# Allegro board reComputer J202_V1.0.brd (continued)
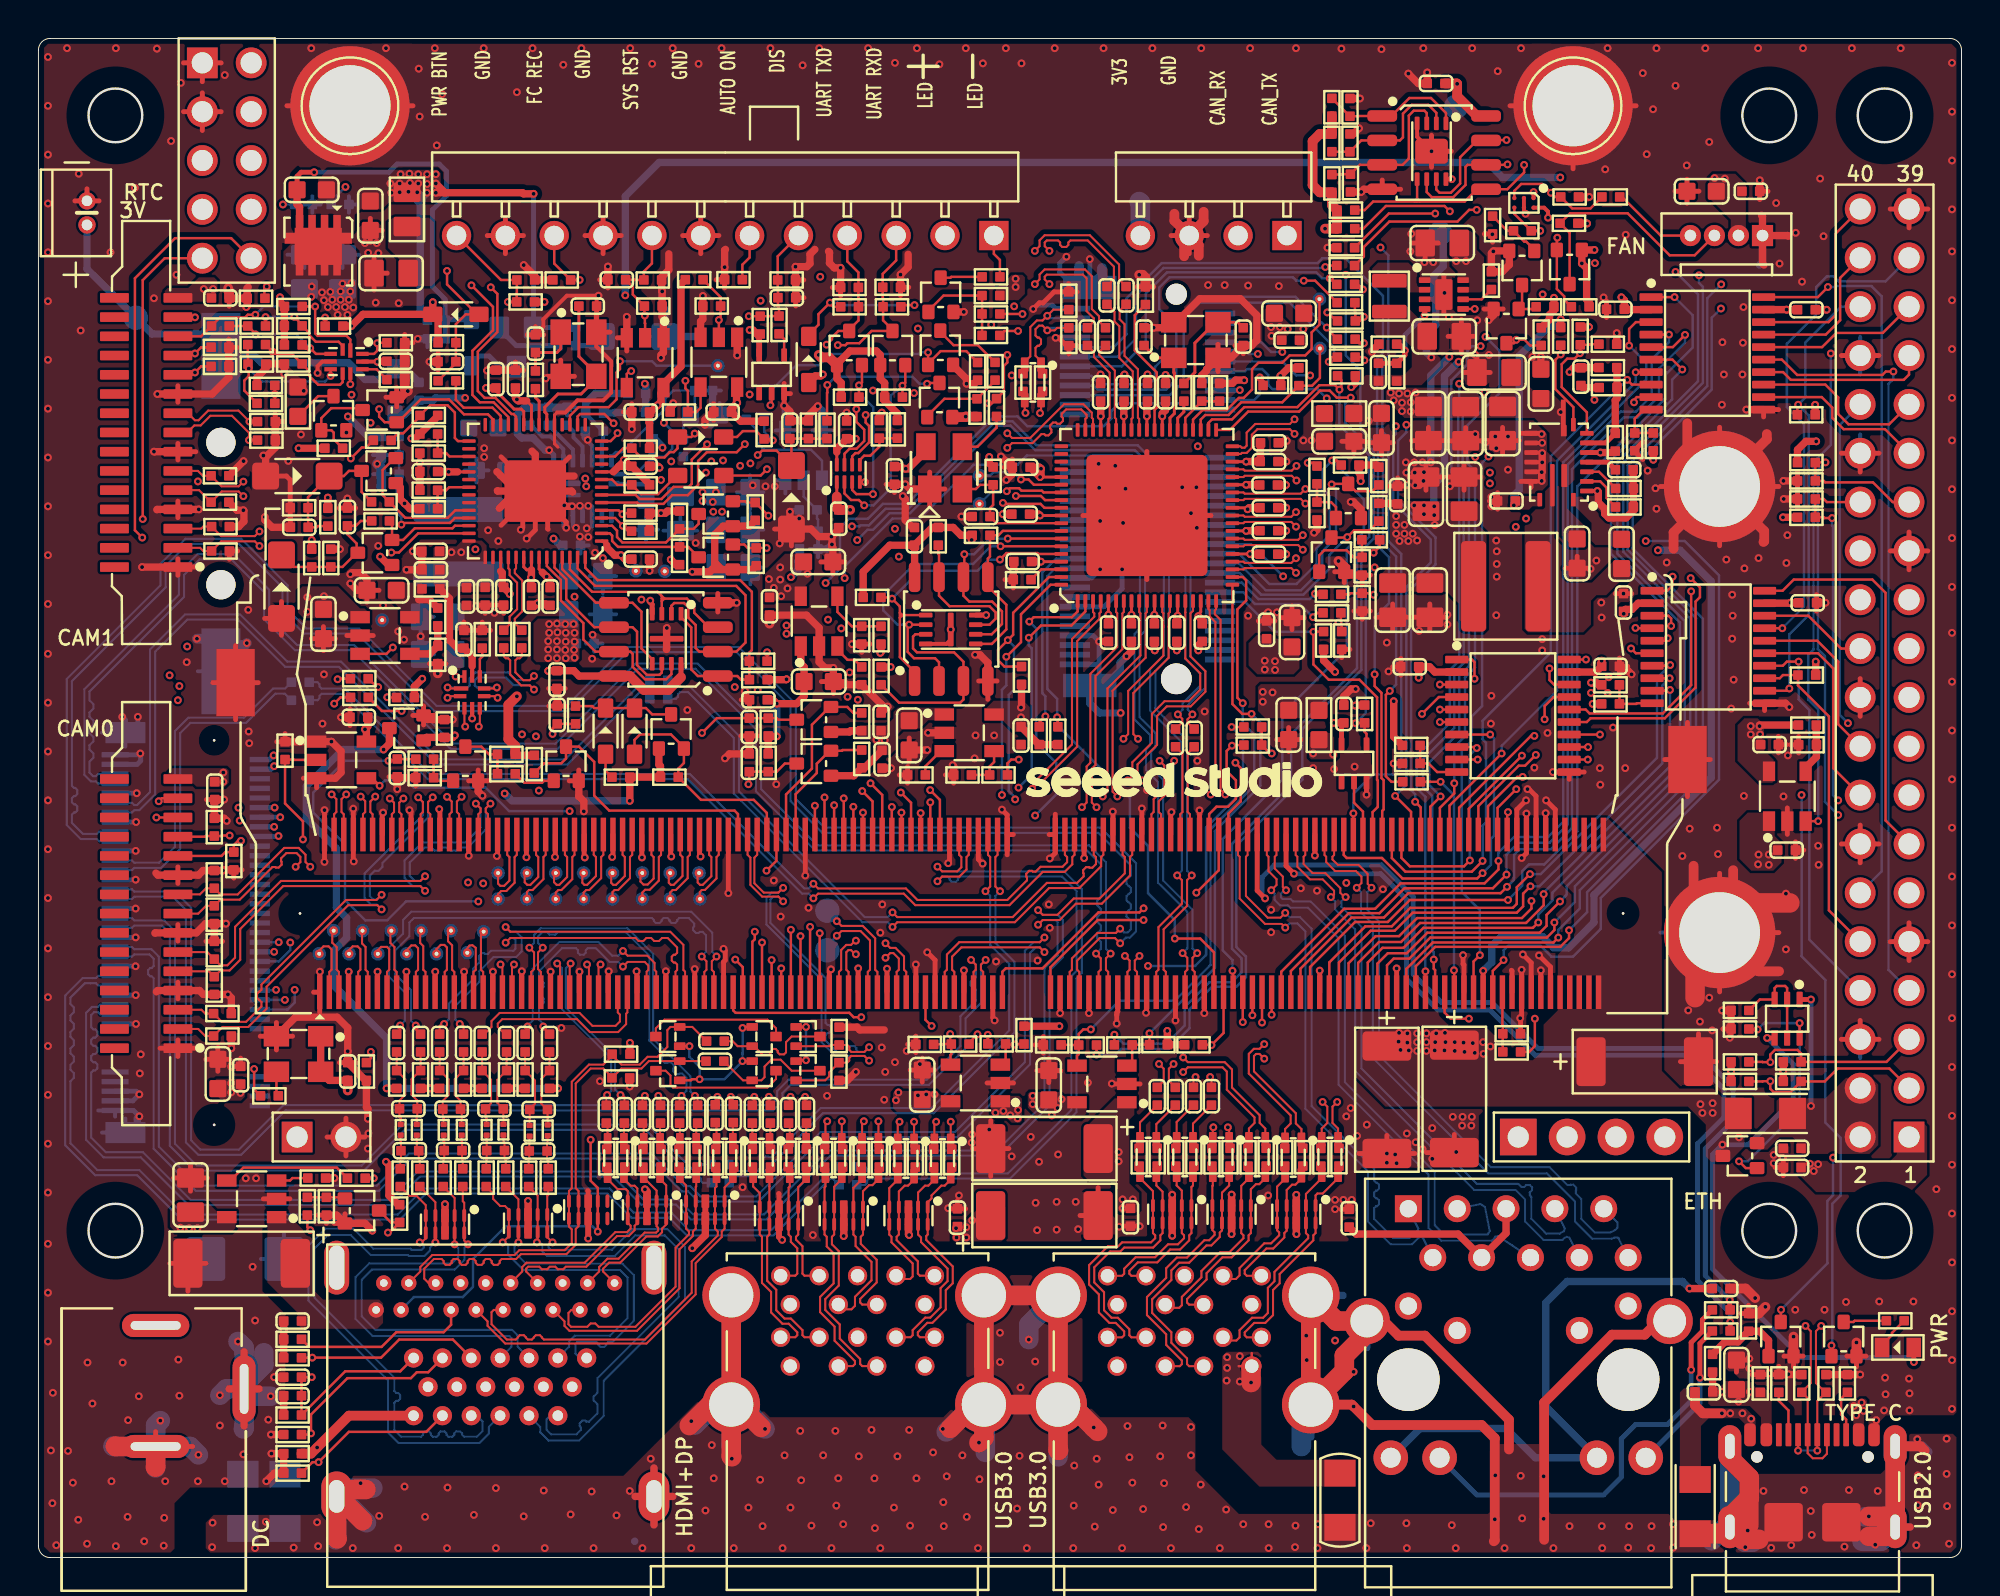
[diagram p0: board, top side]
## Routing (per net, layer and track width the routed paths; a pad name or vN(x,y) marks a point on that pad's centre or on a via; arc(x,y) is an arc through that point) (continued)
DP_CON_LANE0_P: length 8.5
  TOP w0.104: R36.2 32.37,19.9 L4.2 32.32,19.68 32.64,19.36 U10.1 U10.10 32.64,17.32 32.43,17.11 32.43,16.92 32.2,16.69 31.61,16.69 30.25,15.34 29.67,15.34 29.36,15.02 29.36,14.87 J5.B1
DP_CON_LANE1_N: length 14.8
  TOP w0.104: R37.2 34.25,19.9 L5.2 34.2,19.3 34.18,19.27 U11.4 U11.7 34.18,17.1 34.03,16.96 34.03,16.72 33.34,16.03 33.34,14 31.13,11.79 27.61,11.79 27.35,12.05 27.35,12.28 J5.B6
DP_CON_LANE1_P: length 14.6
  TOP w0.104: R25.2 33.31,19.9 L5.3 33.35,19.68 33.68,19.35 U11.5 U11.6 33.68,17.1 33.83,16.96 33.83,16.81 33.13,16.11 33.13,14.09 31.04,12 29.13,12 28.96,12.17 28.71,12.17 28.54,12 27.69,12 27.56,12.13 27.56,12.72 27.72,12.88 J5.B4
DP_CON_LANE2_N: length 11.5
  TOP w0.104: J5.B9 25.15,14.87 25.15,15.11 25.38,15.33 28.41,15.33 30,16.92 30.61,16.92 30.79,17.11 30.79,17.26 30.64,17.41 U10.6 U10.5 30.64,19.06 30.55,19.16 30.11,19.16 29.59,19.68 L3.3 29.59,20.26 R23.2
DP_CON_LANE2_P: length 11.5
  TOP w0.104: J5.B7 25.36,14.87 25.36,15.02 25.46,15.13 26.04,15.13 26.17,14.99 26.46,14.99 26.59,15.13 26.87,15.13 27.01,14.99 27.29,14.99 27.42,15.13 28.49,15.13 30.08,16.72 30.69,16.72 31,17.02 31,17.25 31.14,17.4 U10.7 U10.4 31.14,19.19 31,19.34 30.8,19.34 30.44,19.69 L3.2 30.44,20.26 R35.2
DP_CON_LANE3_N: length 20.8
  TOP w0.104: R38.2 36.15,19.9 L6.2 36.11,19.68 35.68,19.25 U11.1 U11.10 35.68,17.1 35.53,16.96 35.53,16.67 34.18,15.31 34.18,13.69 31.62,11.13 24.27,11.13 23.35,12.05 23.35,12.28 J5.B12
DP_CON_LANE3_P: length 20.7
  TOP w0.104: J5.B10 23.68,12.88 23.56,12.76 23.56,12.13 24.36,11.34 24.82,11.34 24.93,11.44 24.93,11.46 25.03,11.56 25.24,11.56 25.34,11.46 25.34,11.44 25.45,11.34 25.66,11.34 25.76,11.44 25.76,11.46 25.87,11.56 26.07,11.56 26.18,11.46 26.18,11.44 26.28,11.34 31.53,11.34 33.97,13.77 33.97,15.4 35.33,16.75 35.33,16.96 35.18,17.1 U11.9 U11.2 35.18,19.22 35.26,19.3 L6.3 35.22,19.9 R26.2
DP_HPD_CON: length 54.7
  TOP w0.127: R92.2 19.11,41.52 19.1,41.53 C61.1 18.59,41.46 18.22,41.46 v1(18.2,41.43) ; v1(29.09,16.95) U9.9 U9.2 29.09,19.22 28.71,19.59 v1(28.71,21.72)
  LAY3 w0.127: v1(22.87,34.12) 23.52,33.47 23.52,32.4 23.23,32.11 23.23,27.82 24.6,26.45 27.27,26.45 28.71,25 v1(28.71,21.72)
  BOTTOM w0.127: v1(18.2,41.43) 15.94,41.43 14.29,39.78 14.29,38.74 15.94,37.09 15.94,34.2 17,33.14 18.13,33.14 19.11,34.12 v1(22.87,34.12) ; J5.B18 19.52,13.55 22.06,13.55 22.59,14.08 22.59,15.53 24.29,17.23 28.81,17.23 v1(29.09,16.95)
DP_HPD_CON_R: length 2
  TOP w0.127: Q13.1 20.71,40.39 R82.1 20.55,41 R92.1
DP_ILIM: length 1.7
  TOP w0.127: U12.3 13.08,19.61 13.21,19.73 R14.1
DP_LANE0_N: length 1.4
  TOP w0.104: C23.2 31.47,22.53 L4.4 31.43,21.66 R24.1
DP_LANE0_P: length 1.4
  TOP w0.104: C24.2 32.32,22.57 L4.1 32.37,21.66 R36.1
DP_LANE1_N: length 1.4
  TOP w0.104: C26.2 34.2,22.52 L5.1 34.25,21.66 R37.1
DP_LANE1_P: length 1.4
  TOP w0.104: R25.1 33.31,21.66 L5.4 33.35,22.58 C25.2
DP_LANE2_N: length 1.4
  TOP w0.104: R23.1 29.55,21.66 L3.4 29.59,22.53 C21.2
DP_LANE2_P: length 1.4
  TOP w0.104: C22.2 30.44,22.57 L3.1 30.49,21.66 R35.1
DP_LANE3_N: length 1.4
  TOP w0.104: R38.1 36.15,21.66 L6.1 36.11,22.6 C32.2
DP_LANE3_P: length 1.4
  TOP w0.104: R26.1 35.22,21.66 L6.4 35.26,22.55 C31.2
DP_MODE: length 53.5
  TOP w0.127: v1(13.75,37.35) 13.75,38.29 12.82,39.22 R95.1 13.26,41.5 13.28,41.48 U17.2
  LAY3 w0.127: v1(22.34,35.11) 22.24,35.01 22.24,31.94 21.58,31.28 21.58,28.82 20.59,27.83 20.59,25.03 20.95,24.66 20.95,20.19 18.19,17.43 15.18,17.43 14.06,16.31 14.06,13.32 15.46,11.92 21.45,11.92 21.96,12.43 J5.B13
  LAY4 w0.127: v1(22.34,35.11) 21.14,35.11 18.91,37.35 v1(13.75,37.35)
DP_MODE_LS: length 38.9
  TOP w0.127: v1(17.74,40.14) 17.35,40.53 U17.4 ; Q9.1 36.67,27.59 v1(36.61,27.54) ; Q8.1 v1(33.85,26.59) ; Q6.1 v1(36.61,25.82) ; Q5.1 33.93,24.82 33.98,24.87 v1(34.38,24.87)
  LAY3 w0.127: v1(33.85,26.59) 33.57,26.88 32.47,26.88 29.81,29.55 26.58,29.55 26.17,29.95 26.17,30.82 26.68,31.33 26.68,32.82 27.62,33.76 v1(27.62,38.82)
  BOTTOM w0.127: v1(33.85,26.59) 33.85,26.03 34.38,25.51 v1(34.38,24.87) 35.67,24.87 v1(36.61,25.82) 36.61,26.21 36.61,26.22 v1(36.61,27.54) ; v1(27.62,38.82) 24.47,38.82 23.25,40.04 19.52,40.04 19.14,40.42 18.02,40.42 v1(17.74,40.14)
DP_SW_EN: length 6.8
  TOP w0.127: U12.4 9.98,19.61 10.65,20.28 15.52,20.28 R13.2
EN_SQ1: length 9
  BOTTOM w0.127: U42.7 29.79,57.27 30.01,57.49 30.34,57.49 32.6,59.75 32.6,60.28 33.01,60.69 R256.1 34.13,59.65 C191.1 33.54,59.06 R249.2
EPWRON: length 4.6
  TOP w0.127: v1(51.09,56.07) 51.49,56.07 51.76,55.79 U28.63
  BOTTOM w0.127: v1(51.09,56.07) 50.71,56.45 49.66,56.45 49.48,56.26 TP34.1
FAN_PWM: length 36.1
  TOP w0.127: U39.C2 76.75,69.88 R271.1 78.09,69 v1(78.09,68.99) ; v1(77.79,42.73) 77.61,42.73 73.87,38.99 J11.230
  LAY3 w0.127: v1(78.09,68.99) 77.79,68.69 77.79,66.92 77.51,66.64 77.51,63.38 76.85,62.72 76.85,61.45 77.28,61.02 77.28,55.53 77.79,55.02 v1(77.79,42.73)
FAN_PWM_Q*: length 4.5
  TOP w0.127: R270.2 82.35,70.76 84.36,68.75 J13.4
FAN_PWM_R: length 3
  TOP w0.127: Q32.1 77.78,68.02 77.36,68.44 77.26,68.44 R271.2 76.38,69 R233.1
FAN_TACH: length 47.4
  TOP w0.127: J11.208 v1(68.38,38.7) ; v1(78.98,68.64) 78.96,68.61 Q33.2 78.96,65.97 79.34,65.59 79.34,65.41 R218.2
  LAY4 w0.127: v1(69.79,68.13) 69.79,67.74 69.84,67.69 69.84,67.67 70.57,66.94 77.28,66.94 v1(78.98,68.64)
  BOTTOM w0.127: v1(68.38,38.7) 68.38,39.72 69.38,40.72 70.46,40.72 70.87,41.13 70.87,52.19 70.19,52.86 70.19,58.25 69.89,58.55 69.89,62.21 70.19,62.52 70.19,67.72 v1(69.79,68.13)
FAN_TACH_CON: length 12.9
  TOP w0.127: J13.3 86.12,67.72 84.82,67.72 82.64,69.91 79.65,69.91 R235.2 79.62,68.89 Q33.3
FBS_SQ1: length 5.8
  BOTTOM w0.203: U42.6 29.29,58.02 29.36,58.09 R250.1 28.46,59.48 R253.1
  BOTTOM w0.381: R255.1 28.96,60.54 28.46,60.03 R253.1
FBS_SQ2: length 5.1
  TOP w0.254: U32.6 81.49,57.97 R157.1
  TOP w0.381: R191.1 82.08,61.87 R180.1 82.08,60.27 81.99,60.19 R157.1
FORCE_OFF*: length 15.7
  TOP w0.127: v1(34.12,58.45) 34.12,58.45 33.95,58.27 D34.1 33.23,57.68 33.04,57.49 32.83,57.49 32.55,57.21 31.34,57.21 R156.2 30.41,57.69 29.98,57.26 U29.12 ; R165.2 R164.1 C130.1 39.16,58.11 D29.2 38.38,57.56 37.63,57.56 v1(37.4,57.34)
  LAY4 w0.127: v1(34.12,58.45) 36.94,58.45 37.4,58 v1(37.4,57.34)
FORCE_RECOVERY*: length 76.1
  TOP w0.127: J11.214 69.87,38.83 69.95,38.91 69.95,40.43 69.84,40.54 69.84,44.97 69.48,45.32 v1(69.48,45.93) ; v1(28.14,66.44) D47.2 26.82,67.3 J15.10
  LAY4 w0.127: v1(67.98,66.71) 67.07,67.62 56.7,67.62 54.67,65.59 49.29,65.59 48.6,66.28 41.67,66.28 40.32,67.62 29.37,67.62 28.19,66.44 v1(28.14,66.44)
  BOTTOM w0.127: v1(69.48,45.93) 69.48,48.88 70.23,49.63 70.23,52.01 69.66,52.59 69.66,57.77 68.74,58.68 68.74,61.75 67.98,62.52 v1(67.98,66.71)
GBE_LED_ACT: length 45.5
  TOP w0.254: J11.194 64.87,35.97 v1(65.29,35.56) ; R6.1 87.97,11.79 v1(87.97,12.25)
  BOTTOM w0.254: v1(87.97,12.25) 87.97,12.71 86.27,14.41 86.27,21.52 87.64,22.89 87.64,24.37 85.89,26.12 77.83,26.12 75.47,28.48 72.76,28.48 71.13,30.11 71.13,34.22 69.79,35.56 v1(65.29,35.56)
GBE_LED_LINK: length 49.3
  TOP w0.254: v1(87.95,13.39) 87.95,12.9 R9.1 ; v1(63.78,34.28) 63.37,34.69 J11.188
  BOTTOM w0.254: v1(63.78,34.28) 63.64,34.42 63.64,35.39 64.27,36.02 69.84,36.02 71.49,34.37 71.49,30.33 72.96,28.86 75.59,28.86 77.98,26.47 86.12,26.47 88.12,24.47 88.12,22.71 86.68,21.27 86.68,14.66 v1(87.95,13.39)
GBE_MDI0_N: length 28.8
  TOP w0.102: v1(64.83,32.76) 64.64,32.95 63.78,32.95 62.46,34.27 62.46,36.45 62.37,36.53 J11.184
  BOTTOM w0.102: J6.2 71.99,16.63 71.85,16.68 71.77,16.64 71.43,16.29 70.31,16.29 69.13,17.47 69.13,20.09 65.88,23.34 65.88,32.57 65.47,32.98 65.05,32.98 v1(64.83,32.76)
GBE_MDI0_P: length 28.6
  TOP w0.102: v1(64.83,33.53) 64.58,33.28 63.92,33.28 62.79,34.41 62.79,36.45 62.87,36.53 J11.186
  BOTTOM w0.102: v1(64.83,33.53) 65.06,33.3 65.6,33.3 66.2,32.7 66.2,23.48 69.46,20.23 69.46,19.59 69.56,19.49 69.61,19.49 69.71,19.39 69.71,19.19 69.61,19.09 69.56,19.09 69.46,18.98 69.46,18.78 69.56,18.68 69.61,18.68 69.71,18.58 69.71,18.37 69.61,18.27 69.56,18.27 69.46,18.17 69.46,17.61 70.45,16.62 71.29,16.62 71.58,16.91 71.71,16.97 71.75,17.11 J6.1
GBE_MDI1_N: length 31
  TOP w0.102: v1(64.11,34.7) 64.38,34.98 64.38,35.28 63.96,35.7 63.96,36.45 63.87,36.53 J11.190
  BOTTOM w0.102: v1(64.11,34.7) 64.28,34.53 64.28,34.2 64.56,33.92 64.98,33.92 65.1,33.79 66.02,33.79 67.61,32.21 67.61,24.59 72.28,19.91 72.28,17.14 72.95,16.48 75.59,16.48 75.66,16.55 75.76,16.69 75.9,16.72 76.61,16.25 J6.6
GBE_MDI1_P: length 30.8
  TOP w0.102: J11.192 64.38,36.53 64.29,36.45 64.29,35.83 64.71,35.41 64.71,34.87 v1(64.87,34.7)
  BOTTOM w0.102: J6.3 74.99,18.38 75.22,18.23 75.47,16.98 75.35,16.8 73.08,16.8 72.61,17.28 72.61,20.05 67.93,24.72 67.93,32.34 66.15,34.12 65.24,34.12 65.11,34.25 64.7,34.25 64.6,34.34 64.6,34.53 64.78,34.7 v1(64.87,34.7)
GBE_MDI2_N: length 30.8
  TOP w0.102: J11.196 65.38,36.53 65.46,36.45 65.46,35.93 66.12,35.27 66.78,35.27 67.23,34.82 67.37,34.68 67.37,34.48 67.25,34.35 v1(67.21,34.35)
  BOTTOM w0.102: J6.8 79.61,16.63 79.47,16.68 79.34,16.61 79.25,16.52 78.27,16.52 77.3,17.48 77.3,18.62 76.82,19.11 74.66,19.11 68.47,25.3 68.47,32.67 67.43,33.71 67.43,34.12 v1(67.21,34.35)
GBE_MDI2_P: length 30.6
  TOP w0.102: J11.198 65.87,36.53 65.79,36.45 65.79,36.06 66.26,35.59 66.92,35.59 67.46,35.05 67.7,34.81 67.7,34.56 67.91,34.35 v1(67.97,34.35)
  BOTTOM w0.102: v1(67.97,34.35) 67.75,34.13 67.75,33.84 68.8,32.8 68.8,25.43 74.79,19.43 76.95,19.43 77.12,19.27 77.26,19.27 77.36,19.37 77.55,19.37 77.67,19.25 77.67,19.11 77.55,18.98 77.55,18.84 77.63,18.76 77.63,17.62 78.4,16.84 79.11,16.84 79.15,16.88 79.33,16.97 79.37,17.11 J6.7
GBE_MDI3_N: length 31.9
  TOP w0.102: v1(68.55,34.83) 68.8,35.07 68.8,35.41 68.51,35.7 67.43,35.7 66.96,36.17 66.96,36.45 66.87,36.53 J11.202
  BOTTOM w0.102: J6.10 82.16,16.62 82.14,16.64 81.93,16.64 81.82,16.58 80.79,16.58 79.9,17.47 79.9,18.52 78.44,19.98 75.39,19.98 69.38,25.98 69.38,32.94 68.78,33.55 68.78,34.61 v1(68.55,34.83)
GBE_MDI3_P: length 31.7
  TOP w0.102: v1(69.32,34.83) 69.12,35.03 69.12,35.55 68.64,36.02 67.56,36.02 67.29,36.3 67.29,36.45 67.38,36.53 J11.204
  BOTTOM w0.102: J6.9 82.1,17.43 82.1,17.15 81.99,17.03 81.74,16.91 80.93,16.91 80.23,17.61 80.23,18.65 79.94,18.94 79.94,19.08 79.96,19.1 79.96,19.25 79.82,19.39 79.67,19.39 79.65,19.37 79.51,19.37 78.57,20.3 75.53,20.3 69.71,26.12 69.71,33.08 69.1,33.69 69.1,34.61 v1(69.32,34.83)
GPIO01: length 67.7
  TOP w0.127: v1(43.27,40.27) 43.87,39.66 J11.118 ; U37.9 83.11,60.35 82.97,60.21 v1(82.97,60.08)
  LAY3 w0.127: v1(43.4,60.69) 44.31,59.77 44.31,57.94 43.8,57.44 43.8,54.85 43.04,54.08 43.04,40.89 43.27,40.66 v1(43.27,40.27)
  LAY4 w0.127: v1(43.4,60.69) 44.46,60.69 45.02,60.13 48.91,60.13 49.56,60.78 61.31,60.78 61.96,60.13 63.61,60.13 64.26,60.78 65.89,60.78 68.24,58.43 71.26,58.43 71.73,58.9 81.79,58.9 v1(82.97,60.08)
GPIO01_LS: length 9.1
  TOP w0.127: J10.29 96.02,58.68 93.87,58.68 93.28,59.27 93.28,59.8 92.73,60.35 U37.12
GPIO07: length 18.2
  TOP w0.127: v1(75.09,35.59) 74.82,35.31 70.93,35.31 69.86,36.38 68.03,36.38 67.87,36.53 J11.206 ; U19.7 v1(75.49,42.8)
  BOTTOM w0.127: v1(75.09,35.59) 75.53,36.02 75.53,37.37 75.69,37.54 75.69,42.6 v1(75.49,42.8)
GPIO07_LS: length 32.4
  TOP w0.127: U19.14 v1(81.2,42.8)
  LAY4 w0.127: v1(94.09,43.39) 92.9,42.2 87.97,42.2 87.44,42.73 81.66,42.73 81.59,42.8 v1(81.2,42.8)
  BOTTOM w0.127: v1(94.09,43.39) 93.66,43.82 93.66,58.9 J10.32
GPIO09: length 47.9
  TOP w0.127: U37.6 84.96,62.3 v1(85.48,61.79) ; J11.211 69.12,30.94 69.89,31.71 70.98,31.71 72.02,32.75 77.71,32.75 v1(77.99,33.03)
  BOTTOM w0.127: v1(77.99,33.03) 77.99,33.43 78.73,34.17 78.73,34.58 85.36,41.21 85.36,48.62 81.77,52.2 81.77,57.06 84.95,60.23 84.95,61.26 v1(85.48,61.79)
GPIO09_LS: length 39.9
  TOP w0.127: U37.15 90.65,62.3 91.45,61.5 95.88,61.5 96.06,61.68 v1(96.46,61.68)
  BOTTOM w0.127: v1(96.46,61.68) 96.46,61.28 96.2,61.03 96.2,30.56 J10.7
GPIO11: length 36.1
  TOP w0.127: J11.216 70.38,36.38 71.08,35.67 74.54,35.67 v1(75.09,36.23) ; v1(82.61,61.25) 82.86,61 U37.8
  BOTTOM w0.127: v1(75.09,36.23) 75.09,38.06 75.27,38.23 75.27,42.37 75.09,42.55 75.09,43.52 78.64,47.06 78.64,57.27 v1(82.61,61.25)
GPIO11_LS: length 9.4
  TOP w0.127: U37.13 92.92,61 93.59,60.33 93.59,59.47 94.12,58.94 96.24,58.94 J10.31
GPIO12: length 12.1
  TOP w0.127: v1(74.43,36.25) 74.13,35.95 71.31,35.95 70.87,36.38 J11.218 ; U19.8 74.74,42.15 74.78,42.1 v1(74.8,42.1)
  BOTTOM w0.127: v1(74.8,42.1) 74.43,41.74 v1(74.43,36.25)
GPIO12_LS: length 18.7
  TOP w0.127: U19.13 v1(80.58,42.15)
  LAY4 w0.127: v1(80.58,42.15) 87.31,42.15 88.28,41.18 95.74,41.18 J10.15
GPIO13: length 28.9
  TOP w0.127: U37.7 83.07,61.65 v1(83.06,61.64) ; v1(76.09,41.82) 73.38,39.11 J11.228
  BOTTOM w0.127: v1(83.06,61.64) 83.06,61.13 78.97,57.04 78.97,45.09 76.09,42.21 v1(76.09,41.82)
GPIO13_LS: length 8.8
  TOP w0.127: U37.14 90.72,61.65 91.12,61.25 97,61.25 97.27,61.52 J10.33
GREEN_LED: length 22.3
  TOP w0.254: v1(85.94,9.76) 85.94,11.18 86.52,11.77 86.52,12.36 R9.2
  BOTTOM w0.254: v1(85.94,9.76) 85.94,8.16 84.7,6.92 83.04,6.92 82.31,6.18 82.31,4.17 81.39,3.26 74.79,3.26 J6.16
HDMI_CEC: length 11.9
  TOP w0.127: D21.1 31,42.52 31.28,42.81 32.89,42.81 33.56,42.13 Q15.2 33.56,41.32 33.27,41.02 R84.2 34.45,39.4 37.2,39.4 37.87,38.73 J11.94
HDMI_CEC_CON: length 55.4
  TOP w0.127: J5.A13 21.55,11.34 18.76,11.34 17.82,10.4 v1(14.24,10.4) 14.23,10.39 D8.2 ; v1(26.73,42.83) 26.73,43.11 C73.1 27.41,43.36 27.42,43.35 L25.2
  LAY3 w0.127: v1(26.73,42.83) 26.73,37.09 26.45,36.81 26.45,35.85 25.67,35.06 23.84,35.06 23.33,35.57 22.21,35.57 21.93,35.29 21.93,31.96 21.35,31.38 21.35,28.91 20.36,27.92 20.36,24.92 20.73,24.55 20.73,20.29 18.1,17.66 14.13,17.66 12.81,16.34 12.81,13.47 14.24,12.05 v1(14.24,10.4)
HDMI_CEC_Q: length 5.1
  TOP w0.127: Q15.3 31.91,43.85 31.59,44.18 D21.2 D20.2 28.9,44.18 28.8,44.28 L25.1
HDMI_DDC_SCL: length 6.8
  TOP w0.127: J11.100 39.37,39.7 40.47,40.8 40.47,41.28 41.15,41.96 Q14.2 41.78,41.96 41.82,41.99 R93.2
HDMI_DDC_SCL_5V0: length 67.8
  TOP w0.127: J5.A15 20.27,9.64 19.67,9.64 19.37,9.33 16.06,9.33 14.17,7.44 v1(14.17,6.46) 14.11,6.4 D3.2 ; Q14.3 38.81,41.29 38.39,40.87 R91.2 37.41,40.87 37.41,40.87 C62.1 36.96,40.26 v1(36.92,40.22)
  LAY3 w0.127: v1(26.02,39.89) 26.02,36.46 25.59,36.02 22.29,36.02 21.63,35.36 21.63,33.41 20.93,32.71 20.93,32.2 21.07,32.06 21.07,28.95 20.13,28.02 20.13,26.04 19.85,25.76 19.85,19.93 17.9,17.98 14.13,17.98 12.59,16.43 12.59,13.24 13.6,12.22 13.6,7.03 v1(14.17,6.46)
  LAY4 w0.127: v1(36.92,40.22) 26.35,40.22 v1(26.02,39.89)
HDMI_DDC_SDA: length 9.4
  TOP w0.127: R105.2 42.37,43.92 42.06,44.24 Q17.2 41.15,44.24 40.22,43.31 40.22,41.03 38.87,39.68 J11.98
HDMI_DDC_SDA_5V0: length 73.3
  TOP w0.127: v1(34.51,42.88) 35.28,43.65 C69.1 R102.2 38.39,43.65 38.47,43.57 Q17.3 ; D1.2 14.25,4.96 v1(14.57,4.96) 16.14,6.54 20.16,6.54 J5.A16
  LAY3 w0.127: v1(25.14,42.81) 24.85,42.52 24.85,38.01 24.42,37.57 21.88,37.57 20.56,36.25 20.56,33.99 18.5,31.94 18.5,28.75 17.72,27.96 17.72,25.92 19.01,24.62 19.01,20.28 17.56,18.82 13.79,18.82 11.75,16.78 11.75,11.11 12.76,10.09 12.76,6.07 13.87,4.96 v1(14.57,4.96)
  LAY4 w0.127: v1(25.14,42.81) 25.62,43.29 26.96,43.29 27.37,42.88 v1(34.51,42.88)
HDMI_HPD: length 40.1
  TOP w0.127: Q3.3 18.33,17.43 R10.2 18.25,16.9 v1(18.17,16.9) ; J11.96 38.37,36.24 v1(37.86,35.72)
  LAY3 w0.127: v1(18.17,16.9) 21.2,19.92 21.2,26.07 22.67,27.54 22.67,31.6 22.47,31.8 22.47,34.4 v1(23.13,35.06)
  LAY4 w0.127: v1(37.86,35.72) 37.57,36.01 31.51,36.01 31.5,36 23.67,36 23.13,35.45 v1(23.13,35.06)
HDMI_HPD_CON: length 19.1
  TOP w0.127: v1(14.21,9.38) C4.1 C2.1 D4.2 15.95,9.68 18.81,9.68 J5.A19 ; v1(14.13,17.03) 13.98,17.18 R11.2
  LAY3 w0.127: v1(14.13,17.03) 13.47,16.36 13.47,13.32 14.67,12.12 14.67,9.71 14.34,9.38 v1(14.21,9.38)
HDMI_TX0_N: length 20.4
  TOP w0.102: v1(21.09,27.75) 20.96,27.75 20.86,27.65 C52.1 ; J11.75 33.12,30.47 33.21,30.55 33.21,30.84 33.11,30.94 33.03,30.94 32.93,31.04 32.93,31.25 33.03,31.35 33.11,31.35 33.21,31.45 33.21,31.73 32.72,32.22 32.42,32.22 32.27,32.06 32.02,32.06 31.86,32.22 31.61,32.22 31.45,32.06 31.21,32.06 31.05,32.22 24.54,32.22 v1(24.29,31.98)
  BOTTOM w0.102: v1(24.29,31.98) 24.54,32.22 24.7,32.22 24.8,32.12 24.8,31.66 24.7,31.55 23.53,31.55 23.37,31.39 23.22,31.39 23.19,31.42 23.05,31.42 22.9,31.28 22.9,31.14 22.94,31.1 22.94,30.96 22.6,30.62 22.6,30.06 21.35,28.82 21.35,28.01 v1(21.09,27.75)
HDMI_TX0_P: length 20.6
  TOP w0.102: v1(24.29,32.79) 24.54,32.54 32.85,32.54 33.54,31.86 33.54,30.55 33.63,30.47 J11.77 ; v1(21.91,27.75) 22,27.75 22.11,27.65 C53.1
  BOTTOM w0.102: v1(24.29,32.79) 24.54,32.54 24.84,32.54 25.13,32.25 25.13,31.52 24.84,31.23 23.66,31.23 22.92,30.49 22.92,29.93 21.68,28.68 21.68,27.98 v1(21.91,27.75)
HDMI_TX1_N: length 12.6
  TOP w0.102: C57.1 26.29,27.5 26.29,27.57 v1(26.25,27.62) ; J11.69 31.62,30.47 31.71,30.55 31.71,30.79 31.53,30.98 30.64,30.98 v1(30.39,30.73)
  BOTTOM w0.102: v1(26.25,27.62) 26.25,27.75 26.03,27.98 26.03,28.66 26.13,28.76 26.17,28.76 26.28,28.86 26.28,29.07 26.17,29.17 26.13,29.17 26.03,29.27 26.03,29.47 26.13,29.58 26.17,29.58 26.28,29.68 26.28,29.88 26.17,29.98 26.13,29.98 26.03,30.08 26.03,30.49 27.22,31.69 27.95,31.69 28.05,31.59 28.05,31.45 28.15,31.35 28.36,31.35 28.46,31.45 28.46,31.59 28.56,31.69 28.98,31.69 29.7,30.98 30.15,30.98 v1(30.39,30.73)
HDMI_TX1_P: length 12.7
  TOP w0.102: v1(30.39,31.54) 30.64,31.3 31.66,31.3 32.04,30.92 32.04,30.55 32.12,30.47 J11.71 ; C56.1 25.48,27.39 25.48,27.57 v1(25.44,27.62)
  BOTTOM w0.102: v1(25.44,27.62) 25.44,27.67 25.7,27.93 25.7,30.63 27.09,32.01 29.12,32.01 29.83,31.3 30.15,31.3 v1(30.39,31.54)
HDMI_TX2_N: length 9.7
  TOP w0.102: J11.63 30.12,28.35 30.24,28.24 30.24,27.88 30.01,27.65 28.81,27.65 28.14,28.32 23.98,28.32 23.56,27.9 23.56,27.59 23.19,27.22 C54.1
HDMI_TX2_P: length 9.7
  TOP w0.102: J11.65 30.62,28.35 30.56,28.28 30.56,27.74 30.14,27.33 28.67,27.33 28,28 24.12,28 23.88,27.76 23.88,27.59 24.26,27.22 C55.1
HDMI_TXC_CON_LC_N: length 4.1
  TOP w0.102: C51.2 R58.2 19.85,25.32 19.4,24.87 19.4,24.07 19.7,23.77 C36.2 19.7,22.91 19.67,22.89 L20.1
HDMI_TXC_CON_LC_P: length 4.1
  TOP w0.102: C50.2 R57.2 19.07,24.88 19.07,24.07 18.77,23.77 C36.1 18.77,22.91 18.84,22.85 L19.1
HDMI_TXC_CON_N: length 29.2
  TOP w0.102: v1(20.64,16.39) U1.7 U1.4 20.64,18.48 R16.2
  BOTTOM w0.102: v1(20.64,16.39) 20.36,16.11 20.36,15.97 20.07,15.68 19.26,15.68 19.21,15.74 17.28,15.74 16.24,16.78 15.06,16.78 14.36,16.08 14.36,13.49 18.5,9.35 18.5,8.66 18.6,8.56 18.71,8.56 18.81,8.45 18.81,8.25 18.71,8.15 18.6,8.15 18.5,8.05 18.5,6.64 18.86,6.28 19.9,6.28 20,6.38 20,6.46 20.1,6.56 20.3,6.56 20.4,6.46 20.4,6.38 20.51,6.28 20.71,6.28 20.81,6.38 20.81,6.46 20.91,6.56 21.12,6.56 21.22,6.46 21.22,6.38 21.32,6.28 21.52,6.28 21.62,6.38 21.62,6.46 21.73,6.56 21.93,6.56 22.03,6.46 22.03,6.38 22.13,6.28 22.8,6.28 23.09,6.58 23.09,7.07 22.79,7.38 J5.A12
HDMI_TXC_CON_P: length 29.4
  TOP w0.102: R15.2 19.3,18.8 19.66,18.8 20.14,18.33 U1.5 U1.6 20.14,16.6 19.92,16.39 v1(19.83,16.39)
  BOTTOM w0.102: J5.A10 23.42,6.79 23.42,6.44 22.93,5.96 18.72,5.96 18.18,6.5 18.18,9.22 14.04,13.36 14.04,16.22 14.92,17.1 16.37,17.1 17.41,16.06 19.34,16.06 19.4,16 19.93,16 20.04,16.11 20.04,16.18 v1(19.83,16.39)
HDMI_TXC_CON_R_N: length 1.8
  TOP w0.102: R16.1 19.83,20.67 19.77,20.73 C16.2 19.67,21.26 L20.2
HDMI_TXC_CON_R_P: length 1.8
  TOP w0.102: R15.1 18.81,20.69 18.85,20.73 C16.1 18.85,21.58 18.84,21.6 L19.2
HDMI_TXC_N: length 26.6
  TOP w0.102: v1(19.62,27.67) 19.62,27.47 C51.1 ; v1(34.49,31.26) 34.74,31.01 34.74,30.56 34.63,30.45 J11.81
  BOTTOM w0.102: v1(19.62,27.67) 19.38,27.91 19.38,29.51 18.55,30.33 18.55,31.58 19.29,32.31 19.29,33.02 19.52,33.26 31.9,33.26 32,33.16 32,33.1 32.1,33 32.31,33 32.41,33.1 32.41,33.16 32.51,33.26 32.71,33.26 32.81,33.16 32.81,33.1 32.92,33 33.12,33 33.22,33.1 33.22,33.16 33.32,33.26 33.81,33.26 34.1,32.97 34.1,32.83 34.04,32.77 34.04,32.63 34.19,32.48 34.33,32.48 34.39,32.54 34.53,32.54 34.71,32.36 34.71,31.5 34.49,31.28 v1(34.49,31.26)
HDMI_TXC_P: length 26.8
  TOP w0.102: v1(18.81,27.67) 18.81,27.4 C50.1 ; J11.83 35.12,30.45 35.01,30.56 35.01,31.01 v1(35.26,31.26)
  BOTTOM w0.102: v1(18.81,27.67) 19.05,27.91 19.05,29.38 18.23,30.2 18.23,31.71 18.96,32.45 18.96,33.16 19.39,33.59 33.95,33.59 35.04,32.49 35.04,31.5 35.26,31.28 v1(35.26,31.26)
HDMI_TXD0_CON_LC_N: length 4.1
  TOP w0.102: L21.1 21.07,22.85 21.02,22.9 C34.2 21.02,23.75 21.32,24.05 21.32,24.87 20.87,25.32 R59.2 C52.2
HDMI_TXD0_CON_LC_P: length 4.1
  TOP w0.102: L22.1 22.01,23.26 C34.1 21.95,23.75 21.65,24.05 21.65,24.87 22.1,25.32 R60.2 C53.2
HDMI_TXD0_CON_N: length 21.7
  TOP w0.102: v1(21.64,16.29) U1.9 U1.2 21.64,18.7 R17.2
  BOTTOM w0.102: J5.A9 24.59,10.97 24.59,11.41 24.49,11.52 17.38,11.52 16.48,12.41 16.48,14.58 17.21,15.3 21.5,15.3 21.83,15.63 21.83,16.1 v1(21.64,16.29)
HDMI_TXD0_CON_P: length 21.6
  TOP w0.102: v1(22.34,16.29) 22.14,16.49 U1.10 U1.1 22.14,18.45 22.06,18.53 R18.2
  BOTTOM w0.102: v1(22.34,16.29) 22.16,16.11 22.16,15.49 21.64,14.97 17.34,14.97 16.81,14.44 16.81,12.55 17.52,11.84 24.63,11.84 24.92,11.55 24.92,10.97 J5.A7
HDMI_TXD0_CON_R_N: length 1.8
  TOP w0.102: L21.2 21.07,21.65 21.1,21.62 C17.2 21.1,20.74 21.05,20.68 R17.1
HDMI_TXD0_CON_R_P: length 1.8
  TOP w0.102: L22.2 22.01,21.65 22.03,21.63 C17.1 22.03,20.74 22.06,20.7 R18.1
HDMI_TXD1_CON_LC_N: length 4.1
  TOP w0.102: L18.1 26.48,22.87 26.47,22.87 C33.2 26.45,23.3 26.15,23.6 26.15,24.1 26.15,24.9 R64.2 C57.2
HDMI_TXD1_CON_LC_P: length 4.2
  TOP w0.102: C56.2 R63.2 25.82,24.81 25.82,24 25.82,23.99 25.82,23.6 25.55,23.33 C33.1 25.55,22.87 25.54,22.87 L17.1
HDMI_TXD1_CON_N: length 27.1
  TOP w0.102: v1(26.73,16.39) 26.46,16.67 U2.10 U2.1 26.46,18.81 26.51,18.86 R22.2
  BOTTOM w0.102: v1(26.73,16.39) 26.63,16.39 26.52,16.29 26.52,16.11 26.63,16.01 29.83,16.01 30.9,17.08 32.7,17.08 33.62,16.16 33.62,13.42 29.39,9.19 29.39,7.37 28.11,6.08 26.52,6.08 26.09,6.51 26.09,6.79 J5.A6
HDMI_TXD1_CON_P: length 26.9
  TOP w0.102: R21.2 25.96,18.83 U2.2 U2.9 25.96,16.43 v1(25.92,16.39)
  BOTTOM w0.102: v1(25.92,16.39) 26.08,16.39 26.2,16.27 26.2,15.92 26.44,15.68 29.97,15.68 31.03,16.75 32.57,16.75 33.29,16.03 33.29,13.55 29.07,9.33 29.07,8.58 28.87,8.37 28.87,8.17 29.07,7.97 29.07,7.5 28.63,7.07 28.49,7.07 28.43,7.12 28.29,7.12 28.14,6.98 28.14,6.84 28.2,6.78 28.2,6.63 27.98,6.41 26.66,6.41 26.42,6.65 26.42,7.19 26.61,7.38 J5.A4
HDMI_TXD1_CON_R_N: length 1.8
  TOP w0.102: L18.2 26.48,21.6 26.45,21.57 C15.2 26.45,20.71 26.51,20.65 R22.1
HDMI_TXD1_CON_R_P: length 1.7
  TOP w0.102: L17.2 25.54,21.59 25.52,21.57 C15.1 25.52,20.71 25.49,20.68 R21.1
HDMI_TXD2_CON_LC_N: length 4.1
  TOP w0.102: L23.1 23.31,22.85 23.25,22.91 C35.2 23.54,23.62 23.54,24.85 23.07,25.32 R61.2 C54.2
HDMI_TXD2_CON_LC_P: length 4.1
  TOP w0.102: L24.1 24.18,22.9 24.17,22.91 C35.1 23.86,23.64 23.86,24.85 24.34,25.32 R62.2 C55.2
HDMI_TXD2_CON_N: length 18
  TOP w0.102: v1(24.14,16.39) 24.46,16.71 U2.6 U2.5 24.46,18.08 24.26,18.28 24.01,18.28 23.64,18.65 23.64,18.93 R19.2
  BOTTOM w0.102: v1(24.14,16.39) 24.27,16.39 24.43,16.23 24.43,15.75 25.22,14.96 30.24,14.96 30.63,14.56 30.63,12.45 29.72,11.54 27.89,11.54 27.59,11.24 27.59,10.97 J5.A3
HDMI_TXD2_CON_P: length 17.8
  TOP w0.102: v1(24.95,16.39) 24.96,16.39 U2.7 U2.4 24.96,18.63 R20.2
  BOTTOM w0.102: J5.A1 28.15,10.38 27.92,10.61 27.92,11.11 28.02,11.21 29.02,11.21 29.12,11.11 29.12,11.06 29.22,10.95 29.43,10.95 29.53,11.06 29.53,11.11 29.63,11.21 29.86,11.21 30.96,12.31 30.96,14.69 30.37,15.28 25.35,15.28 24.75,15.88 24.75,16.19 v1(24.95,16.39)
HDMI_TXD2_CON_R_N: length 1.8
  TOP w0.102: R19.1 23.28,20.71 23.31,20.74 C18.2 23.31,21.64 23.31,21.65 L23.2
HDMI_TXD2_CON_R_P: length 1.8
  TOP w0.102: L24.2 24.18,21.65 24.23,21.6 C18.1 24.23,20.74 24.3,20.67 R20.1
HUB_HSD1_N: length 37.6
  TOP w0.107: U28.10 57.64,49.17 57.57,49.1 57.57,46.8 55.86,45.08 55.86,39.82 v1(56.1,39.58) ; v1(42.92,22.69) 42.83,22.6 L10.4 42.78,21.66 R28.1
  LAY3 w0.084: v1(56.1,39.58) 55.84,39.84 55.84,40.32 55.59,40.57 54.24,40.57 53.62,39.95 53.62,38.43 50.58,35.38 50.58,31.27 43.16,23.85 43.16,22.93 v1(42.92,22.69)
HUB_HSD1_P: length 37.5
  TOP w0.107: v1(43.68,22.69) L10.1 43.72,21.66 R40.1 ; v1(55.34,39.58) 55.59,39.82 55.59,45.19 57.3,46.91 57.3,49.1 57.24,49.17 U28.9
  LAY3 w0.084: v1(43.68,22.69) 43.4,22.97 43.4,23.76 44.15,24.51 44.27,24.51 44.28,24.5 44.4,24.5 44.52,24.62 44.52,24.74 44.51,24.75 44.51,24.87 44.63,24.99 44.74,24.99 44.75,24.98 44.87,24.98 44.99,25.1 44.99,25.22 44.98,25.22 44.98,25.34 50.81,31.17 50.81,35.28 53.86,38.33 53.86,39.86 54.34,40.33 54.57,40.33 54.65,40.25 54.65,40.17 54.74,40.09 54.9,40.09 54.99,40.17 54.99,40.25 55.07,40.33 55.49,40.33 55.6,40.23 55.6,39.84 v1(55.34,39.58)
HUB_HSD2_N: length 44.6
  TOP w0.107: U28.19 61.24,49.32 61.17,49.25 61.17,49.06 61.47,48.76 61.47,39.93 v1(61.71,39.68) ; v1(41.02,22.69) 40.92,22.6 L9.4 40.88,21.66 R27.1
  LAY3 w0.084: v1(41.02,22.69) 41.28,22.95 41.28,23.34 47.5,29.57 47.5,33.76 52.86,39.12 52.86,40.49 53.64,41.26 57.48,41.26 58.02,40.73 61.12,40.73 61.45,40.39 61.45,39.94 v1(61.71,39.68)